# KiCad board Video Board - Signals.kicad_pcb
title: HCP65 Video Board Signals; date: 2024-08-26; rev: V0
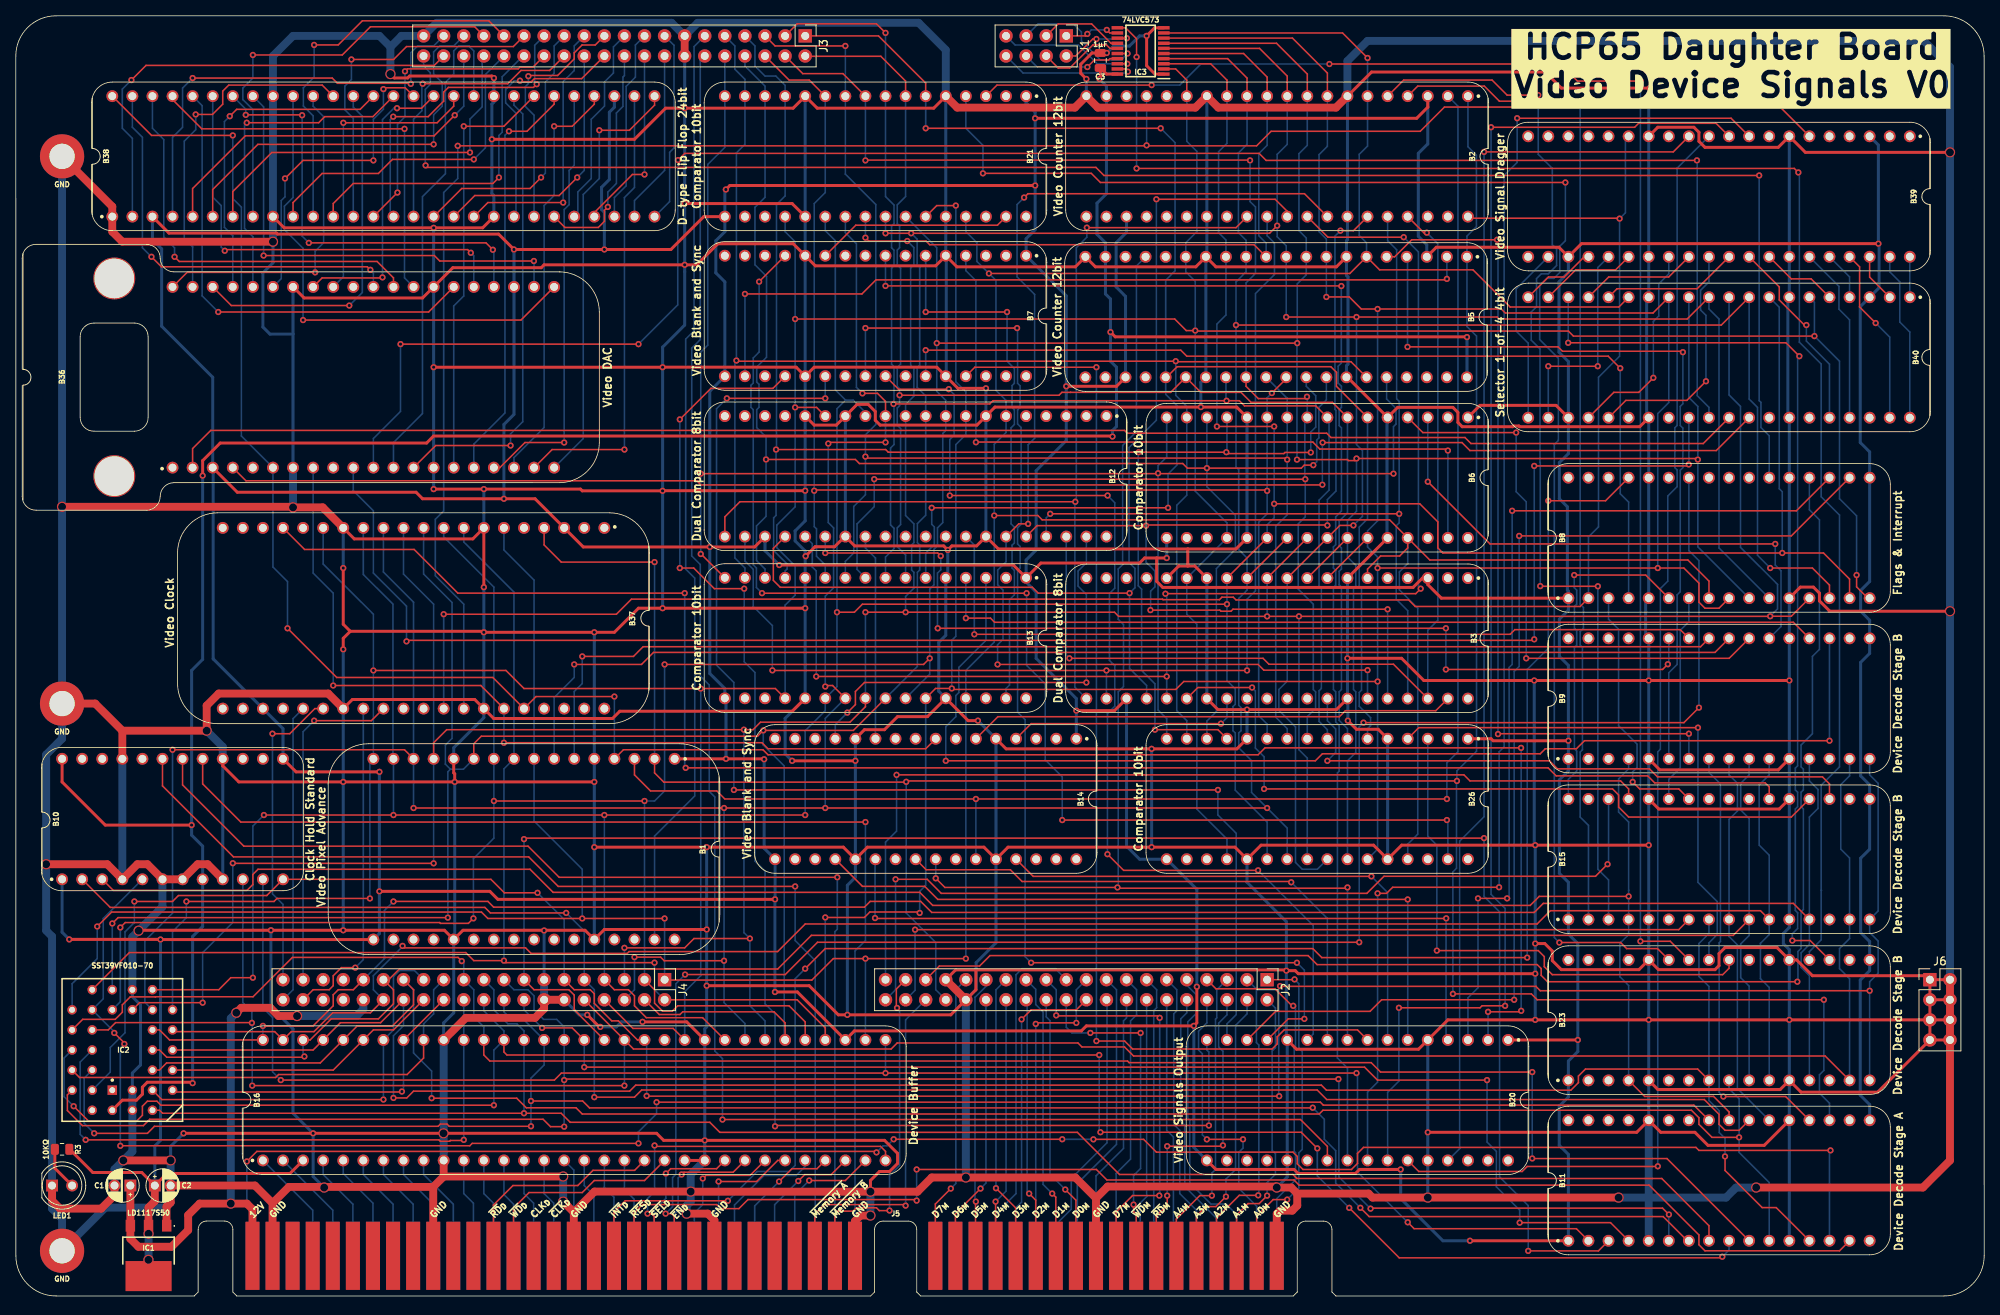
[diagram p0: board, top side]
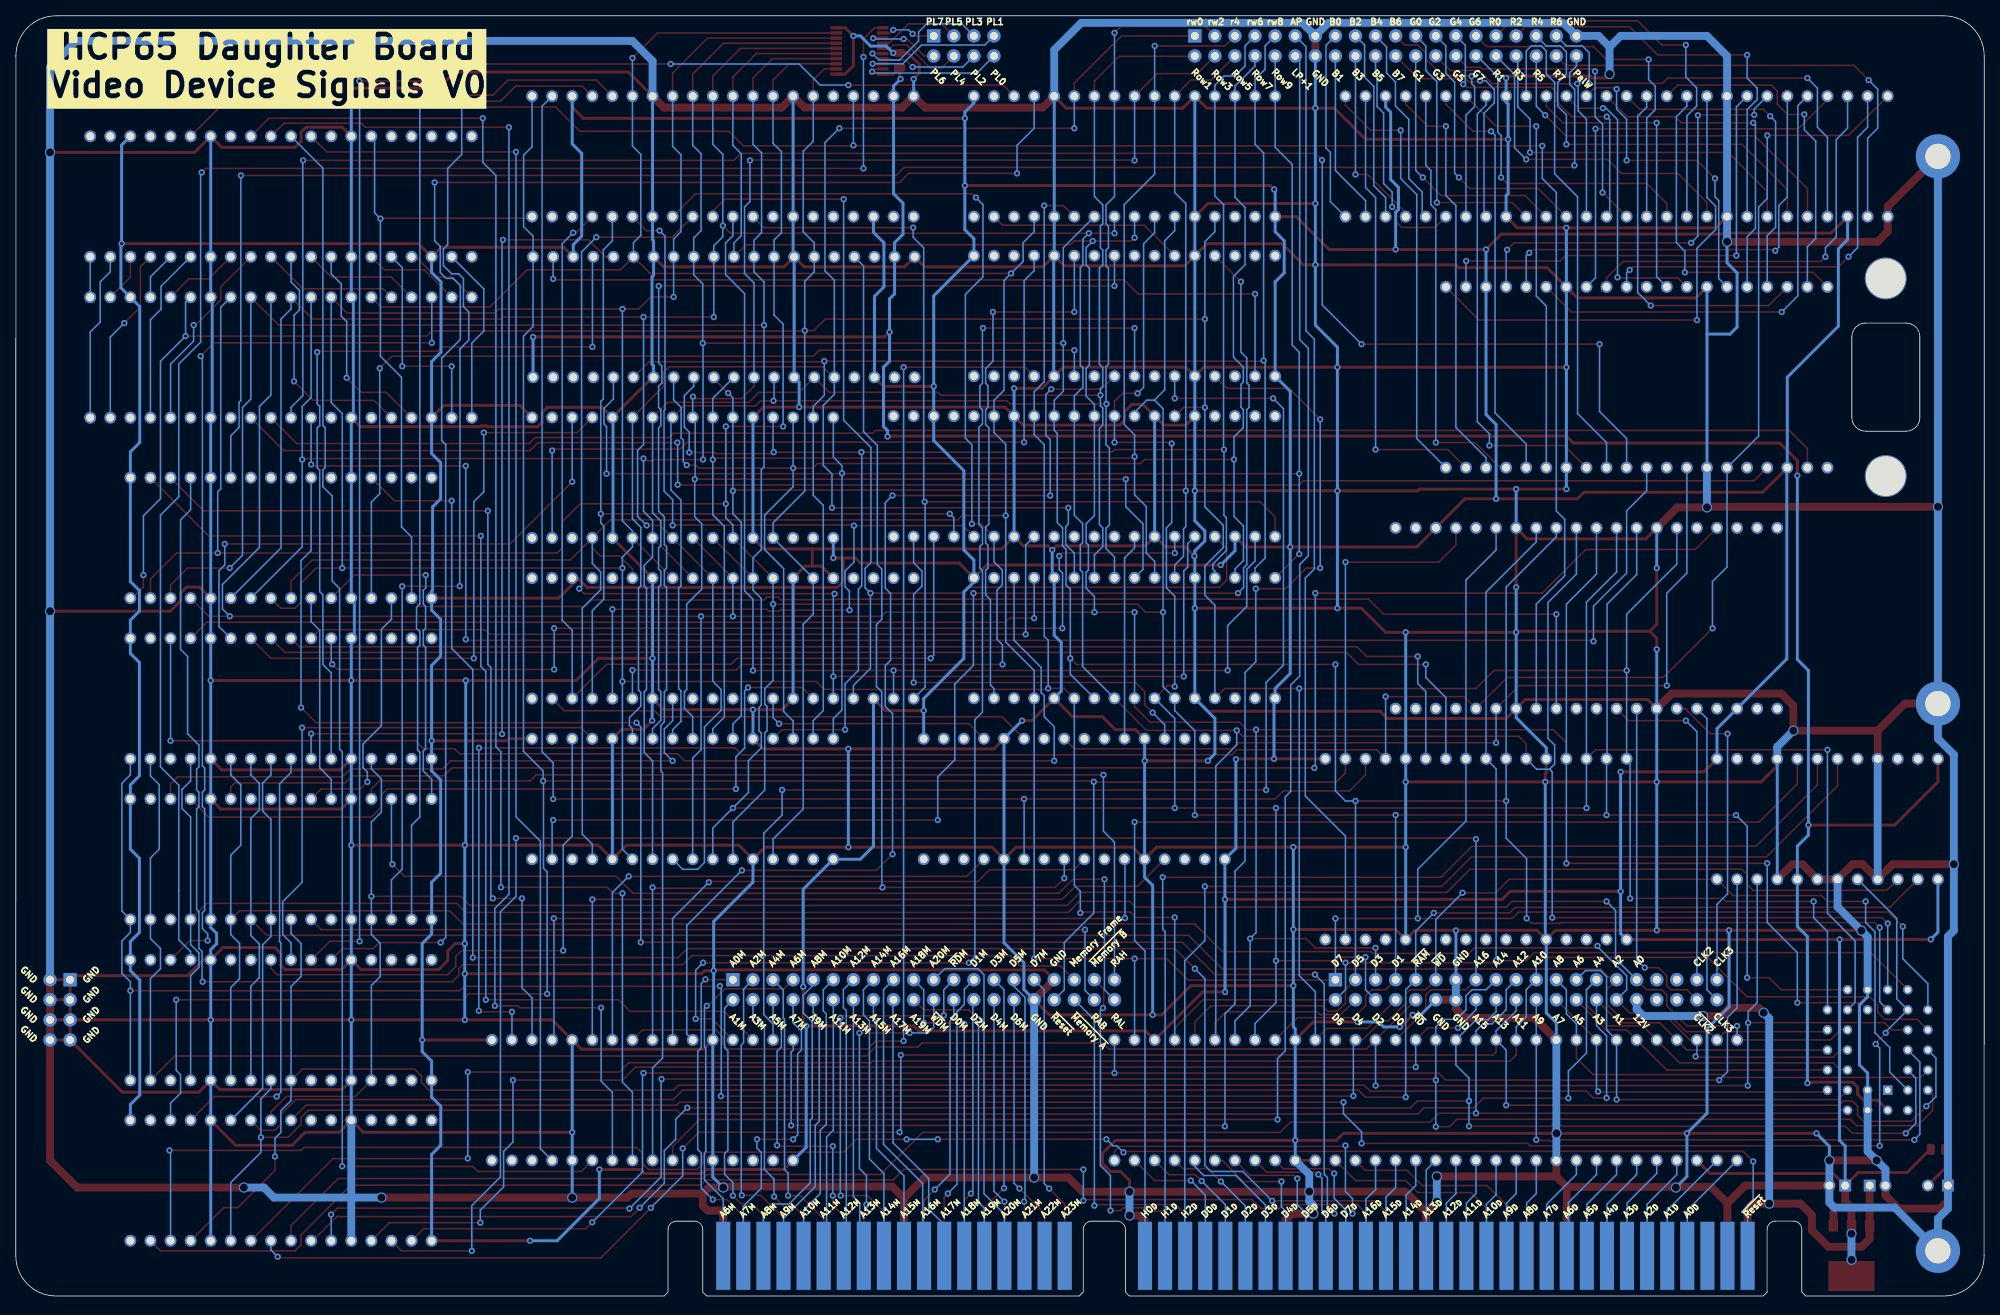
[diagram p1: board, bottom side, seen from below]

Outline 248.94 x 161.93 mm; copper layers: Top, Bottom. Coordinates in mm from the lower left corner of the outline.
Outline path: 22.56,0 5.09,0 arc(1.5,1.49) 0.01,5.08 0,156.85 arc(1.49,160.44) 5.08,161.93 243.85,161.93 arc(247.44,160.44) 248.93,156.85 248.94,5.08 arc(247.45,1.49) 243.86,0 166.95,0
Stack: Top 0.035mm / dielectric 1.51mm FR4 er 4.5 / Bottom 0.035mm

## Placement (name value [footprint] x y rotation side)
B1  Video Pixel Advance  [HCP65_Video_Pixel_Advance]  83.32 67.95 270 top
B2  Video Counter 12bit  [HCP65_Video_Counter_12bit]  183.65 151.77 270 top
B3  Dual Comparator 8bit  [HCP65_Dual_Comparator_8bit]  183.65 90.81 270 top
B5  Video Counter 12bit  [HCP65_Video_Counter_12bit]  183.52 131.45 270 top
B6  Comparator 10bit  [HCP65_Comparator_10bit]  183.65 111.13 270 top
B7  Video Blank and Sync  [HCP65_Video_Blank_and_Sync]  127.77 131.58 270 top
B8  Flags & Interrupt  [HCP65_Flags_Interrupt]  196.35 88.27 90 top
B9  Device Decode Stage B  [HCP65_Device_Decode_Stage_B]  196.35 67.95 90 top
B10  Clock Hold Standard  [HCP65_Clock_Hold_Standard]  5.85 52.71 90 top
B11  Device Decode Stage A  [HCP65_Device_Decode_Stage_A]  196.35 6.99 90 top
B12  Dual Comparator 8bit  [HCP65_Dual_Comparator_8bit]  137.93 111.3 270 top
B13  Comparator 10bit  [HCP65_Comparator_10bit]  127.77 90.84 270 top
B14  Video Blank and Sync  [HCP65_Video_Blank_and_Sync]  134.12 70.49 270 top
B15  Device Decode Stage B  [HCP65_Device_Decode_Stage_B]  196.35 47.63 90 top
B16  Device Buffer  [HCP65_Device_Buffer]  31.25 17.15 90 top
B20  Video Signals Output  [HCP65_Video_Output_Signals]  188.73 32.39 270 top
B21  Comparator 10bit  [HCP65_Comparator_10bit]  127.77 151.77 270 top
B23  Device Decode Stage B  [HCP65_Device_Decode_Stage_B]  196.35 27.27 90 top
B26  Comparator 10bit  [HCP65_Comparator_10bit]  183.65 70.49 270 top
B36  Video DAC  [HCP65_Video_DAC]  19.82 104.78 90 top
B37  Video Clock  [HCP65_Video_Clock]  74.43 97.16 270 top
B38  D-type Flip Flop 24bit  [HCP65_D_Flip_Flop_24bit]  12.2 136.53 90 top
B39  Video Signal Dragger  [HCP65_Video_Signal_Dragger]  239.53 146.69 270 top
B40  Selector 1-of-4 4bit with Input  [HCP65_Selector_1_of_4_4bit_with_Input]  239.53 126.33 270 top
C1  10μF  [CP_Radial_D4.0mm_P2.00mm]  14.49 13.97 180 top
C2  100μF  [CP_Radial_D4.0mm_P2.00mm]  17.58 13.97 0 top
C3  1μF  [C_0805]  137.17 156.29 180 top
H1  MountingHole_Pad  [HCP65_MountingHole_M3_]  5.85 74.93 0 top
H9  MountingHole_Pad  [HCP65_MountingHole_M3_]  5.85 5.72 0 top
H19  MountingHole_Pad  [HCP65_MountingHole_M3_]  5.85 144.15 0 top
IC1  LD1117S50C  [LD1117S33C]  16.79 5.69 180 top
IC2  SST39VF010-70-4I-NHE  [5408803224008]  12.2 26.04 0 top
IC3  74LVC573APW,118  [SOP65P640X110-20N]  142.25 157.48 180 top
J1  Conn_01x08_Pin  [PinHeader_2x04_P2.54mm_Vertical]  132.85 159.39 270 top
J2  Conn_01x40_Pin  [PinHeader_2x20_P2.54mm_Vertical]  158.25 40.01 270 top
J3  Conn_01x40_Pin  [PinHeader_2x20_P2.54mm_Vertical]  99.83 159.39 270 top
J4  Conn_01x40_Pin  [PinHeader_2x20_P2.54mm_Vertical]  82.05 40.01 270 top
J5  395-098-520-350  [98pin Edge Connector]  22.56 0 0 top
J6  Conn_01x08_Pin  [PinHeader_2x04_P2.54mm_Vertical]  242.07 40.01 0 top
LED1  LED  [LED_D5.0mm]  4.58 13.97 0 top
R3  10KΩ  [R_0805]  5.85 18.54 270 top

## Library data of the parts
B10 = -: Description: Clock Hold
B40 = -: Description: Selector 1-of-4 4bit; Silkscreen: Selector 1-of-4 4bit
C1 C2 = -: ki_fp_filters: CP_*
C3 = -: ki_fp_filters: C_*
H1 H9 H19 = -: ki_fp_filters: MountingHole*Pad*
IC1 = -: Datasheet: https://www.st.com/resource/en/datasheet/ld1117.pdf; Description: IC: voltage regulator; LDO, linear, fixed; 5.0V; 0.95A; SOT223; SMD; Silkscreen: LD1117S50; Height: 1.8; Manufacturer_Name: STMicroelectronics; Garbage: IC: voltage regulator; LDO, linear, fixed; 5.0V; 0.95A; SOT223; SMD
IC2 = -: Description: 32 pin PLCC socket / (1 Mbit NOR Flash); Height: 8.2; Manufacturer_Name: Microchip; Silkscreen: SST39VF010-70; Garbage: Preci-Dip 1.27mm Pitch Female PLCC Socket, 32 Way, Through Hole, Tin Plated Contacts 1A
IC3 = -: Datasheet: https://assets.nexperia.com/documents/data-sheet/74LVC573A.pdf; Description: 8-bit D-type latch; Height: 1.1; Mouser Part Number: 771-74LVC573APW-T; Mouser Price/Stock: https://www.mouser.co.uk/ProductDetail/Nexperia/74LVC573APW118/?qs=me8TqzrmIYU4mlL%252B5pgpig%3D%3D; Manufacturer_Name: Nexperia; Silkscreen: 74LVC573; Garbage: 74LVC573A - Octal D-type transparent latch with 5 V tolerant inputs/outputs; 3-state@en-us
J1 J6 = -: Description: Generic connector, single row, 01x08, script generated; ki_fp_filters: Connector*:*_1x??_*
J2-J4 = -: Description: Generic connector, single row, 01x40, script generated; ki_fp_filters: Connector*:*_1x??_*
J5 = -: Datasheet: https://media.digikey.com/pdf/Data%20Sheets/EDAC%20PDFs/395-098-520-350.pdf; Description: Standard Card Edge Connectors 98P Solder Tail 5.08mm ROW SPACE; Height: 15.4; Manufacturer_Name: EDAC; Mouser Part Number: 587-395-098-520-350; Mouser Price/Stock: https://www.mouser.co.uk/ProductDetail/EDAC/395-098-520-350?qs=U4pz39agNJAWEyGruTa5gg%3D%3D; Garbage: Standard Card Edge Connectors 98P Solder Tail 5.08mm ROW SPACE
LED1 = -: ki_fp_filters: LED* LED_SMD:* LED_THT:*

## Footprints (pads in the part's own frame, mm; a bottom-side part is the same pattern mirrored in y, then rotated)
98pin Edge Connector
  rect 1.78x8.62 smd far side: A1(7.366,5.08) A2(9.906,5.08) A3(12.446,5.08) A4(14.986,5.08) A5(17.526,5.08) A6(20.066,5.08) A7(22.606,5.08) A8(25.146,5.08) A9(27.686,5.08) A10(30.226,5.08) A11(32.766,5.08) A12(35.306,5.08) A13(37.846,5.08) A14(40.386,5.08) A15(42.926,5.08) A16(45.466,5.08) A17(48.006,5.08) A18(50.546,5.08) A19(53.086,5.08) A20(55.626,5.08) A21(58.166,5.08) A22(60.706,5.08) A23(63.246,5.08) A24(65.786,5.08) A25(68.326,5.08) A26(70.866,5.08) A27(73.406,5.08) A28(75.946,5.08) A29(78.486,5.08) A30(81.026,5.08) A31(83.566,5.08) C1(93.726,5.08) C2(96.266,5.08) C3(98.806,5.08) C4(101.346,5.08) C5(103.886,5.08) C6(106.426,5.08) C7(108.966,5.08) C8(111.506,5.08) C9(114.046,5.08) C10(116.586,5.08) C11(119.126,5.08) C12(121.666,5.08) C13(124.206,5.08) C14(126.746,5.08) C15(129.286,5.08) C16(131.826,5.08) C17(134.366,5.08) C18(136.906,5.08)
  rect 1.78x8.62 smd: B1(7.366,5.08) B2(9.906,5.08) B3(12.446,5.08) B4(14.986,5.08) B5(17.526,5.08) B6(20.066,5.08) B7(22.606,5.08) B8(25.146,5.08) B9(27.686,5.08) B10(30.226,5.08) B11(32.766,5.08) B12(35.306,5.08) B13(37.846,5.08) B14(40.386,5.08) B15(42.926,5.08) B16(45.466,5.08) B17(48.006,5.08) B18(50.546,5.08) B19(53.086,5.08) B20(55.626,5.08) B21(58.166,5.08) B22(60.706,5.08) B23(63.246,5.08) B24(65.786,5.08) B25(68.326,5.08) B26(70.866,5.08) B27(73.406,5.08) B28(75.946,5.08) B29(78.486,5.08) B30(81.026,5.08) B31(83.566,5.08) D1(93.726,5.08) D2(96.266,5.08) D3(98.806,5.08) D4(101.346,5.08) D5(103.886,5.08) D6(106.426,5.08) D7(108.966,5.08) D8(111.506,5.08) D9(114.046,5.08) D10(116.586,5.08) D11(119.126,5.08) D12(121.666,5.08) D13(124.206,5.08) D14(126.746,5.08) D15(129.286,5.08) D16(131.826,5.08) D17(134.366,5.08) D18(136.906,5.08)
5408803224008
  rect 1.2x1.2 hole 0.75: 1(0,0)
  round 1.2 hole 0.75: 2(2.54,-2.54) 3(2.54,0) 4(5.08,-2.54) 5(7.62,0) 6(5.08,0) 7(7.62,2.54) 8(5.08,2.54) 9(7.62,5.08) 10(5.08,5.08) 11(7.62,7.62) 12(5.08,7.62) 13(7.62,10.16) 14(5.08,12.7) 15(5.08,10.16) 16(2.54,12.7) 17(2.54,10.16) 18(0,12.7) 19(0,10.16) 20(-2.54,12.7) 21(-5.08,10.16) 22(-2.54,10.16) 23(-5.08,7.62) 24(-2.54,7.62) 25(-5.08,5.08) 26(-2.54,5.08) 27(-5.08,2.54) 28(-2.54,2.54) 29(-5.08,0) 30(-2.54,-2.54) 31(-2.54,0) 32(0,-2.54)
C_0805
  rrect 1.45x1 smd: 1(0,-0.934) 2(0,0.966)
CP_Radial_D4.0mm_P2.00mm
  rect 1.5x1.5 hole 1: 1(0,0)
  round 1.5 hole 1: 2(2,0)
HCP65_Clock_Hold_Standard
  round 1.5 hole 1: 1(0,0) 2(0,-2.54) 3(0,-5.08) 4(0,-7.62) 5(0,-10.16) 6(0,-12.7) 7(0,-15.24) 8(0,-17.78) 9(0,-20.32) 10(0,-22.86) 11(0,-25.4) 12(0,-27.94) 13(15.24,-27.94) 14(15.24,-25.4) 15(15.24,-22.86) 16(15.24,-20.32) 17(15.24,-17.78) 18(15.24,-15.24) 19(15.24,-12.7) 20(15.24,-10.16) 21(15.24,-7.62) 22(15.24,-5.08) 23(15.24,-2.54) 24(15.24,0)
HCP65_Comparator_10bit
  round 1.5 hole 1: 1(0,0) 2(0,-2.54) 3(0,-5.08) 4(0,-7.62) 5(0,-10.16) 6(0,-12.7) 7(0,-15.24) 8(0,-17.78) 9(0,-20.32) 10(0,-22.86) 11(0,-25.4) 12(0,-27.94) 13(0,-30.48) 14(0,-33.02) 15(0,-35.56) 16(0,-38.1) 17(15.24,-38.1) 18(15.24,-35.56) 19(15.24,-33.02) 20(15.24,-30.48) 21(15.24,-27.94) 22(15.24,-25.4) 23(15.24,-22.86) 24(15.24,-20.32) 25(15.24,-17.78) 26(15.24,-15.24) 27(15.24,-12.7) 28(15.24,-10.16) 29(15.24,-7.62) 30(15.24,-5.08) 31(15.24,-2.54) 32(15.24,0)
HCP65_D_Flip_Flop_24bit
  round 1.5 hole 1: 1(0,0) 2(0,-2.54) 3(0,-5.08) 4(0,-7.62) 5(0,-10.16) 6(0,-12.7) 7(0,-15.24) 8(0,-17.78) 9(0,-20.32) 10(0,-22.86) 11(0,-25.4) 12(0,-27.94) 13(0,-30.48) 14(0,-33.02) 15(0,-35.56) 16(0,-38.1) 17(0,-40.64) 18(0,-43.18) 19(0,-45.72) 20(0,-48.26) 21(0,-50.8) 22(0,-53.34) 23(0,-55.88) 24(0,-58.42) 25(0,-60.96) 26(0,-63.5) 27(0,-66.04) 28(0,-68.58) 29(15.24,-68.58) 30(15.24,-66.04) 31(15.24,-63.5) 32(15.24,-60.96) 33(15.24,-58.42) 34(15.24,-55.88) 35(15.24,-53.34) 36(15.24,-50.8) 37(15.24,-48.26) 38(15.24,-45.72) 39(15.24,-43.18) 40(15.24,-40.64) 41(15.24,-38.1) 42(15.24,-35.56) 43(15.24,-33.02) 44(15.24,-30.48) 45(15.24,-27.94) 46(15.24,-25.4) 47(15.24,-22.86) 48(15.24,-20.32) 49(15.24,-17.78) 50(15.24,-15.24) 51(15.24,-12.7) 52(15.24,-10.16) 53(15.24,-7.62) 54(15.24,-5.08) 55(15.24,-2.54) 56(15.24,0)
HCP65_Device_Buffer
  round 1.5 hole 1: 1(0,0) 2(0,-2.54) 3(0,-5.08) 4(0,-7.62) 5(0,-10.16) 6(0,-12.7) 7(0,-15.24) 8(0,-17.78) 9(0,-20.32) 10(0,-22.86) 11(0,-25.4) 12(0,-27.94) 13(0,-30.48) 14(0,-33.02) 15(0,-35.56) 16(0,-38.1) 17(0,-40.64) 18(0,-43.18) 19(0,-45.72) 20(0,-48.26) 21(0,-50.8) 22(0,-53.34) 23(0,-55.88) 24(0,-58.42) 25(0,-60.96) 26(0,-63.5) 27(0,-66.04) 28(0,-68.58) 29(0,-71.12) 30(0,-73.66) 31(0,-76.2) 32(0,-78.74) 33(15.24,-78.74) 34(15.24,-76.2) 35(15.24,-73.66) 36(15.24,-71.12) 37(15.24,-68.58) 38(15.24,-66.04) 39(15.24,-63.5) 40(15.24,-60.96) 41(15.24,-58.42) 42(15.24,-55.88) 43(15.24,-53.34) 44(15.24,-50.8) 45(15.24,-48.26) 46(15.24,-45.72) 47(15.24,-43.18) 48(15.24,-40.64) 49(15.24,-38.1) 50(15.24,-35.56) 51(15.24,-33.02) 52(15.24,-30.48) 53(15.24,-27.94) 54(15.24,-25.4) 55(15.24,-22.86) 56(15.24,-20.32) 57(15.24,-17.78) 58(15.24,-15.24) 59(15.24,-12.7) 60(15.24,-10.16) 61(15.24,-7.62) 62(15.24,-5.08) 63(15.24,-2.54) 64(15.24,0)
HCP65_Device_Decode_Stage_A
  round 1.5 hole 1: 1(0,0) 2(0,-2.54) 3(0,-5.08) 4(0,-7.62) 5(0,-10.16) 6(0,-12.7) 7(0,-15.24) 8(0,-17.78) 9(0,-20.32) 10(0,-22.86) 11(0,-25.4) 12(0,-27.94) 13(0,-30.48) 14(0,-33.02) 15(0,-35.56) 16(0,-38.1) 17(15.24,-38.1) 18(15.24,-35.56) 19(15.24,-33.02) 20(15.24,-30.48) 21(15.24,-27.94) 22(15.24,-25.4) 23(15.24,-22.86) 24(15.24,-20.32) 25(15.24,-17.78) 26(15.24,-15.24) 27(15.24,-12.7) 28(15.24,-10.16) 29(15.24,-7.62) 30(15.24,-5.08) 31(15.24,-2.54) 32(15.24,0)
HCP65_Device_Decode_Stage_B
  round 1.5 hole 1: 1(0,0) 2(0,-2.54) 3(0,-5.08) 4(0,-7.62) 5(0,-10.16) 6(0,-12.7) 7(0,-15.24) 8(0,-17.78) 9(0,-20.32) 10(0,-22.86) 11(0,-25.4) 12(0,-27.94) 13(0,-30.48) 14(0,-33.02) 15(0,-35.56) 16(0,-38.1) 17(15.24,-38.1) 18(15.24,-35.56) 19(15.24,-33.02) 20(15.24,-30.48) 21(15.24,-27.94) 22(15.24,-25.4) 23(15.24,-22.86) 24(15.24,-20.32) 25(15.24,-17.78) 26(15.24,-15.24) 27(15.24,-12.7) 28(15.24,-10.16) 29(15.24,-7.62) 30(15.24,-5.08) 31(15.24,-2.54) 32(15.24,0)
HCP65_Dual_Comparator_8bit
  round 1.5 hole 1: 1(0,0) 2(0,-2.54) 3(0,-5.08) 4(0,-7.62) 5(0,-10.16) 6(0,-12.7) 7(0,-15.24) 8(0,-17.78) 9(0,-20.32) 10(0,-22.86) 11(0,-25.4) 12(0,-27.94) 13(0,-30.48) 14(0,-33.02) 15(0,-35.56) 16(0,-38.1) 17(0,-40.64) 18(0,-43.18) 19(0,-45.72) 20(0,-48.26) 21(15.24,-48.26) 22(15.24,-45.72) 23(15.24,-43.18) 24(15.24,-40.64) 25(15.24,-38.1) 26(15.24,-35.56) 27(15.24,-33.02) 28(15.24,-30.48) 29(15.24,-27.94) 30(15.24,-25.4) 31(15.24,-22.86) 32(15.24,-20.32) 33(15.24,-17.78) 34(15.24,-15.24) 35(15.24,-12.7) 36(15.24,-10.16) 37(15.24,-7.62) 38(15.24,-5.08) 39(15.24,-2.54) 40(15.24,0)
HCP65_Flags_Interrupt
  round 1.5 hole 1: 1(0,0) 2(0,-2.54) 3(0,-5.08) 4(0,-7.62) 5(0,-10.16) 6(0,-12.7) 7(0,-15.24) 8(0,-17.78) 9(0,-20.32) 10(0,-22.86) 11(0,-25.4) 12(0,-27.94) 13(0,-30.48) 14(0,-33.02) 15(0,-35.56) 16(0,-38.1) 17(15.24,-38.1) 18(15.24,-35.56) 19(15.24,-33.02) 20(15.24,-30.48) 21(15.24,-27.94) 22(15.24,-25.4) 23(15.24,-22.86) 24(15.24,-20.32) 25(15.24,-17.78) 26(15.24,-15.24) 27(15.24,-12.7) 28(15.24,-10.16) 29(15.24,-7.62) 30(15.24,-5.08) 31(15.24,-2.54) 32(15.24,0)
HCP65_MountingHole_M3_
  round 5.6 hole 3.2: 1(0,0)
HCP65_Selector_1_of_4_4bit_with_Input
  round 1.5 hole 1: 1(0,0) 2(0,-2.54) 3(0,-5.08) 4(0,-7.62) 5(0,-10.16) 6(0,-12.7) 7(0,-15.24) 8(0,-17.78) 9(0,-20.32) 10(0,-22.86) 11(0,-25.4) 12(0,-27.94) 13(0,-30.48) 14(0,-33.02) 15(0,-35.56) 16(0,-38.1) 17(0,-40.64) 18(0,-43.18) 19(0,-45.72) 20(0,-48.26) 21(15.24,-48.26) 22(15.24,-45.72) 23(15.24,-43.18) 24(15.24,-40.64) 25(15.24,-38.1) 26(15.24,-35.56) 27(15.24,-33.02) 28(15.24,-30.48) 29(15.24,-27.94) 30(15.24,-25.4) 31(15.24,-22.86) 32(15.24,-20.32) 33(15.24,-17.78) 34(15.24,-15.24) 35(15.24,-12.7) 36(15.24,-10.16) 37(15.24,-7.62) 38(15.24,-5.08) 39(15.24,-2.54) 40(15.24,0)
HCP65_Video_Blank_and_Sync
  round 1.5 hole 1: 1(0,0) 2(0,-2.54) 3(0,-5.08) 4(0,-7.62) 5(0,-10.16) 6(0,-12.7) 7(0,-15.24) 8(0,-17.78) 9(0,-20.32) 10(0,-22.86) 11(0,-25.4) 12(0,-27.94) 13(0,-30.48) 14(0,-33.02) 15(0,-35.56) 16(0,-38.1) 17(15.24,-38.1) 18(15.24,-35.56) 19(15.24,-33.02) 20(15.24,-30.48) 21(15.24,-27.94) 22(15.24,-25.4) 23(15.24,-22.86) 24(15.24,-20.32) 25(15.24,-17.78) 26(15.24,-15.24) 27(15.24,-12.7) 28(15.24,-10.16) 29(15.24,-7.62) 30(15.24,-5.08) 31(15.24,-2.54) 32(15.24,0)
HCP65_Video_Clock
  round 1.5 hole 1: 1(0,0) 2(0,-2.54) 3(0,-5.08) 4(0,-7.62) 5(0,-10.16) 6(0,-12.7) 7(0,-15.24) 8(0,-17.78) 9(0,-20.32) 10(0,-22.86) 11(0,-25.4) 12(0,-27.94) 13(0,-30.48) 14(0,-33.02) 15(0,-35.56) 16(0,-38.1) 17(0,-40.64) 18(0,-43.18) 19(0,-45.72) 20(0,-48.26) 21(22.86,-48.26) 22(22.86,-45.72) 23(22.86,-43.18) 24(22.86,-40.64) 25(22.86,-38.1) 26(22.86,-35.56) 27(22.86,-33.02) 28(22.86,-30.48) 29(22.86,-27.94) 30(22.86,-25.4) 31(22.86,-22.86) 32(22.86,-20.32) 33(22.86,-17.78) 34(22.86,-15.24) 35(22.86,-12.7) 36(22.86,-10.16) 37(22.86,-7.62) 38(22.86,-5.08) 39(22.86,-2.54) 40(22.86,0)
HCP65_Video_Counter_12bit
  round 1.5 hole 1: 1(0,0) 2(0,-2.54) 3(0,-5.08) 4(0,-7.62) 5(0,-10.16) 6(0,-12.7) 7(0,-15.24) 8(0,-17.78) 9(0,-20.32) 10(0,-22.86) 11(0,-25.4) 12(0,-27.94) 13(0,-30.48) 14(0,-33.02) 15(0,-35.56) 16(0,-38.1) 17(0,-40.64) 18(0,-43.18) 19(0,-45.72) 20(0,-48.26) 21(15.24,-48.26) 22(15.24,-45.72) 23(15.24,-43.18) 24(15.24,-40.64) 25(15.24,-38.1) 26(15.24,-35.56) 27(15.24,-33.02) 28(15.24,-30.48) 29(15.24,-27.94) 30(15.24,-25.4) 31(15.24,-22.86) 32(15.24,-20.32) 33(15.24,-17.78) 34(15.24,-15.24) 35(15.24,-12.7) 36(15.24,-10.16) 37(15.24,-7.62) 38(15.24,-5.08) 39(15.24,-2.54) 40(15.24,0)
HCP65_Video_DAC
  round 5.3 hole 5 unplated: (-1.07,7.366) (23.93,7.366)
  round 1.5 hole 1: 1(0,0) 2(0,-2.54) 3(0,-5.08) 4(0,-7.62) 5(0,-10.16) 6(0,-12.7) 7(0,-15.24) 8(0,-17.78) 9(0,-20.32) 10(0,-22.86) 11(0,-25.4) 12(0,-27.94) 13(0,-30.48) 14(0,-33.02) 15(0,-35.56) 16(0,-38.1) 17(0,-40.64) 18(0,-43.18) 19(0,-45.72) 20(0,-48.26) 21(22.86,-48.26) 22(22.86,-45.72) 23(22.86,-43.18) 24(22.86,-40.64) 25(22.86,-38.1) 26(22.86,-35.56) 27(22.86,-33.02) 28(22.86,-30.48) 29(22.86,-27.94) 30(22.86,-25.4) 31(22.86,-22.86) 32(22.86,-20.32) 33(22.86,-17.78) 34(22.86,-15.24) 35(22.86,-12.7) 36(22.86,-10.16) 37(22.86,-7.62) 38(22.86,-5.08) 39(22.86,-2.54) 40(22.86,0)
HCP65_Video_Output_Signals
  round 1.5 hole 1: 1(0,0) 2(0,-2.54) 3(0,-5.08) 4(0,-7.62) 5(0,-10.16) 6(0,-12.7) 7(0,-15.24) 8(0,-17.78) 9(0,-20.32) 10(0,-22.86) 11(0,-25.4) 12(0,-27.94) 13(0,-30.48) 14(0,-33.02) 15(0,-35.56) 16(0,-38.1) 17(15.24,-38.1) 18(15.24,-35.56) 19(15.24,-33.02) 20(15.24,-30.48) 21(15.24,-27.94) 22(15.24,-25.4) 23(15.24,-22.86) 24(15.24,-20.32) 25(15.24,-17.78) 26(15.24,-15.24) 27(15.24,-12.7) 28(15.24,-10.16) 29(15.24,-7.62) 30(15.24,-5.08) 31(15.24,-2.54) 32(15.24,0)
HCP65_Video_Pixel_Advance
  round 1.5 hole 1: 1(0,0) 2(0,-2.54) 3(0,-5.08) 4(0,-7.62) 5(0,-10.16) 6(0,-12.7) 7(0,-15.24) 8(0,-17.78) 9(0,-20.32) 10(0,-22.86) 11(0,-25.4) 12(0,-27.94) 13(0,-30.48) 14(0,-33.02) 15(0,-35.56) 16(0,-38.1) 17(22.86,-38.1) 18(22.86,-35.56) 19(22.86,-33.02) 20(22.86,-30.48) 21(22.86,-27.94) 22(22.86,-25.4) 23(22.86,-22.86) 24(22.86,-20.32) 25(22.86,-17.78) 26(22.86,-15.24) 27(22.86,-12.7) 28(22.86,-10.16) 29(22.86,-7.62) 30(22.86,-5.08) 31(22.86,-2.54) 32(22.86,0)
HCP65_Video_Signal_Dragger
  round 1.5 hole 1: 1(0,0) 2(0,-2.54) 3(0,-5.08) 4(0,-7.62) 5(0,-10.16) 6(0,-12.7) 7(0,-15.24) 8(0,-17.78) 9(0,-20.32) 10(0,-22.86) 11(0,-25.4) 12(0,-27.94) 13(0,-30.48) 14(0,-33.02) 15(0,-35.56) 16(0,-38.1) 17(0,-40.64) 18(0,-43.18) 19(0,-45.72) 20(0,-48.26) 21(15.24,-48.26) 22(15.24,-45.72) 23(15.24,-43.18) 24(15.24,-40.64) 25(15.24,-38.1) 26(15.24,-35.56) 27(15.24,-33.02) 28(15.24,-30.48) 29(15.24,-27.94) 30(15.24,-25.4) 31(15.24,-22.86) 32(15.24,-20.32) 33(15.24,-17.78) 34(15.24,-15.24) 35(15.24,-12.7) 36(15.24,-10.16) 37(15.24,-7.62) 38(15.24,-5.08) 39(15.24,-2.54) 40(15.24,0)
LD1117S33C
  rect 1.2x1.5 smd: 1(-2.3,-3.2) 2(0,-3.2) 3(2.3,-3.2)
  rect 5.842x3.81 smd: 4(0,3.175)
LED_D5.0mm
  rect 1.5x1.5 hole 1: 1(0,0)
  round 1.5 hole 1: 2(2.54,0)
PinHeader_2x04_P2.54mm_Vertical
  rect 1.7x1.7 hole 1: 1(0,0)
  round 1.7 hole 1: 2(2.54,0) 3(0,-2.54) 4(2.54,-2.54) 5(0,-5.08) 6(2.54,-5.08) 7(0,-7.62) 8(2.54,-7.62)
PinHeader_2x20_P2.54mm_Vertical
  rect 1.7x1.7 hole 1: 1(0,0)
  round 1.7 hole 1: 2(2.54,0) 3(0,-2.54) 4(2.54,-2.54) 5(0,-5.08) 6(2.54,-5.08) 7(0,-7.62) 8(2.54,-7.62) 9(0,-10.16) 10(2.54,-10.16) 11(0,-12.7) 12(2.54,-12.7) 13(0,-15.24) 14(2.54,-15.24) 15(0,-17.78) 16(2.54,-17.78) 17(0,-20.32) 18(2.54,-20.32) 19(0,-22.86) 20(2.54,-22.86) 21(0,-25.4) 22(2.54,-25.4) 23(0,-27.94) 24(2.54,-27.94) 25(0,-30.48) 26(2.54,-30.48) 27(0,-33.02) 28(2.54,-33.02) 29(0,-35.56) 30(2.54,-35.56) 31(0,-38.1) 32(2.54,-38.1) 33(0,-40.64) 34(2.54,-40.64) 35(0,-43.18) 36(2.54,-43.18) 37(0,-45.72) 38(2.54,-45.72) 39(0,-48.26) 40(2.54,-48.26)
R_0805
  rrect 1.4x1.025 smd: 1(-0.01,-0.912) 2(-0.01,0.912)
SOP65P640X110-20N
  rect 1.475x0.45 smd: 1(-2.938,2.925) 2(-2.938,2.275) 3(-2.938,1.625) 4(-2.938,0.975) 5(-2.938,0.325) 6(-2.938,-0.325) 7(-2.938,-0.975) 8(-2.938,-1.625) 9(-2.938,-2.275) 10(-2.938,-2.925) 11(2.938,-2.925) 12(2.938,-2.275) 13(2.938,-1.625) 14(2.938,-0.975) 15(2.938,-0.325) 16(2.938,0.325) 17(2.938,0.975) 18(2.938,1.625) 19(2.938,2.275) 20(2.938,2.925)
